# Altium PCB STM32F407Z_20181203.PcbDoc (continued)
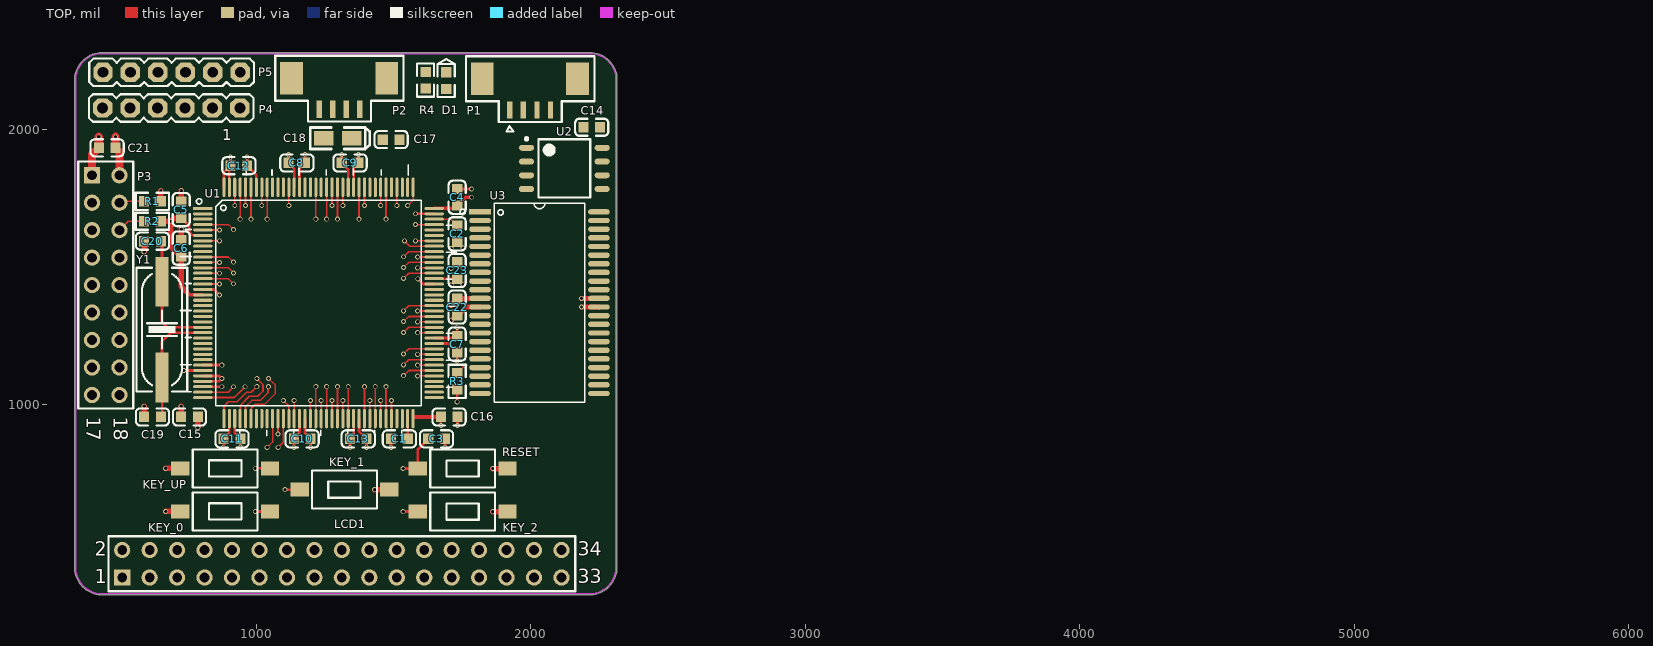
[diagram p0: TOP view]
## Free pads (board coordinates) (continued)
  round 10 on Mech1: 1(3096.07,887.23) 1(3096.07,887.23) 1(3096.07,887.23) 1(3096.07,997.08) 1(3096.07,1106.92) 1(3096.07,1216.76) 1(3096.07,1326.6) 1(3096.07,1436.45) 1(3096.07,1546.29) 1(3096.07,1656.13) 1(3096.07,1656.13) 1(5183.08,887.23) 1(5183.08,887.23) 1(5183.08,887.23) 1(5183.08,997.08) 1(5183.08,1106.92) 1(5183.08,1216.76) 1(5183.08,1326.6) 1(5183.08,1436.45) 1(5183.08,1546.29) 1(5183.08,1656.13) 1(5183.08,1656.13)

## Via types
v1: diameter 18, hole 12, TOP to BOT, tented both sides, 131 vias

## Nets (pads, with @x,y where several pads share a name; then routed paths per layer and width w, separated by ;. In a path a pad name is that pad's centre, name@x,y a point inside that pad or via, vN(x,y) a via of type N, cw(c..) or ccw(c..) an arc to the next point about the centre after c; other vN are vias at no path point)
5V: 
ADC1_CH1: P4.1 U1.35 | length 119.9
  TOP w6: U1.35 897.82,1045.2 v1(917.5,1064.88)
ADC1_CH2: P4.2 U1.36 | length 170.6
  TOP w6: U1.36 920.63,1025.51 v1(960,1064.88)
ADC1_CH3: P4.3 U1.37 | length 194.5
  TOP w6: U1.37 882.51,993.76 898.75,1010 930,1010 965,1045 982.5,1045 v1(1002.5,1065)
DAC2_OUT: P4.4 U1.41 | length 168.8
  TOP w6: U1.41 961.25,991.76 984.49,1015 1015,1015 1043.27,1043.27 1043.27,1063.27 v1(1045,1065)
DCMI_D0: P3.8 U1.96 | length 119.5
  TOP w6: v1(1536.5,1459.59) 1555.17,1478.27 U1.96
DCMI_D1: P3.9 U1.97 | length 60.3
  TOP w6: v1(1588,1497.95) U1.97
DCMI_D2: P3.10 U1.98 | length 119.5
  TOP w6: v1(1536.5,1498.96) 1555.17,1517.64 U1.98
DCMI_D3: P3.11 U1.99 | length 60.3
  TOP w6: v1(1588,1537.32) U1.99
DCMI_D4: P3.12 U1.112 | length 66.3
  TOP w6: v1(1512.43,1725) U1.112
DCMI_D5: P3.13 U1.136 | length 116.3
  TOP w6: v1(1039.99,1675) U1.136
DCMI_D6: P3.14 U1.4 | length 119.5
  TOP w6: U1.4 898.83,1655.43 v1(917.5,1636.76)
DCMI_D7: P3.15 U1.5 | length 60.3
  TOP w6: U1.5 v1(866,1635.75)
DCMI_HREF: P3.5 U1.40 | length 208.1
  TOP w6: U1.40 941.57,996.57 975,1030 1005.63,1030 1025,1049.37 1025,1072.5 v1(1002.5,1095)
DCMI_PCLK: P3.16 U1.42 | length 214
  TOP w6: U1.42 981.56,949.36 981.56,986.56 995,1000 1030,1000 1070,1040 1070,1070 v1(1045,1095)
DCMI_PWDN: P3.18 U1.124 | length 66.3
  TOP w6: v1(1276.21,1725) U1.124
DCMI_RESET: P3.7 U1.132 | length 66.3
  TOP w6: v1(1118.73,1725) U1.132
DCMI_SCL: P3.4 R1.1 U1.122 | length 158
  TOP w6: P3.4 507,1740 R1.1 ; v1(1315.58,1725) U1.122
DCMI_SDA: P3.6 R2.1 U1.123 | length 219.4
  TOP w6: P3.6 534.5,1667.5 R2.1 ; v1(1295.9,1675) U1.123
DCMI_VSYNC: P3.3 U1.137 | length 66.3
  TOP w6: v1(1020.31,1725) U1.137
DCMI_XCLK: P3.17 U1.100 | length 119.5
  TOP w6: v1(1536.5,1538.33) 1555.17,1557.01 U1.100
F_CS: U1.75 U2.1
FSMC_A0: U1.10 U3.5 | length 119.5
  TOP w6: U1.10 898.83,1537.32 v1(917.5,1518.65)
FSMC_A1: U1.11 U3.4 | length 60.3
  TOP w6: U1.11 v1(866,1517.64)
FSMC_A2: U1.12 U3.3 | length 119.5
  TOP w6: U1.12 898.83,1497.95 v1(917.5,1479.28)
FSMC_A3: U1.13 U3.2 | length 60.3
  TOP w6: U1.13 v1(866,1478.27)
FSMC_A4: U1.14 U3.1 | length 119.5
  TOP w6: U1.14 898.83,1458.58 v1(917.5,1439.91)
FSMC_A5: U1.15 U3.23 | length 60.3
  TOP w6: U1.15 v1(866,1438.9)
FSMC_A6: LCD1.2 U1.50 U3.24 | length 66.3
  TOP w6: U1.50 v1(1138.42,1015)
FSMC_A7: U1.53 U3.22 | length 66.3
  TOP w6: U1.53 v1(1197.47,1015)
FSMC_A8: U1.54 U3.21 | length 116.3
  TOP w6: U1.54 v1(1217.16,1065)
FSMC_A9: U1.55 U3.20 | length 66.3
  TOP w6: U1.55 v1(1236.84,1015)
FSMC_A10: U1.56 U3.19 | length 116.3
  TOP w6: U1.56 v1(1256.53,1065)
FSMC_A11: U1.57 U3.18 | length 66.3
  TOP w6: U1.57 v1(1276.21,1015)
FSMC_A12: U1.87 U3.44 | length 60.3
  TOP w6: v1(1588,1301.1) U1.87
FSMC_A13: U1.88 U3.27 | length 119.5
  TOP w6: v1(1536.5,1302.11) 1555.17,1320.79 U1.88
FSMC_A14: U1.89 U3.26 | length 60.3
  TOP w6: v1(1588,1340.47) U1.89
FSMC_A15: U1.90 U3.25 | length 119.5
  TOP w6: v1(1536.5,1341.48) 1555.17,1360.16 U1.90
FSMC_A16: U1.80 U3.42 | length 119.5
  TOP w6: v1(1536.5,1144.63) 1555.17,1163.31 U1.80
FSMC_A17: U1.81 U3.43 | length 60.3
  TOP w6: v1(1588,1182.99) U1.81
FSMC_A18: U1.82 U3.28 | length 119.5
  TOP w6: v1(1536.5,1184) 1555.17,1202.68 U1.82
FSMC_D0: LCD1.6 U1.85 U3.7 | length 60.3
  TOP w6: v1(1588,1261.73) U1.85
FSMC_D1: LCD1.7 U1.86 U3.8 | length 119.5
  TOP w6: v1(1536.5,1262.74) 1555.17,1281.42 U1.86
FSMC_D2: LCD1.8 U1.114 U3.9 | length 116.3
  TOP w6: v1(1473.06,1675) U1.114
FSMC_D3: LCD1.9 U1.115 U3.10 | length 66.3
  TOP w6: v1(1453.38,1725) U1.115
FSMC_D4: LCD1.10 U1.58 U3.13 | length 116.3
  TOP w6: U1.58 v1(1295.9,1065)
FSMC_D5: LCD1.11 U1.59 U3.14 | length 66.3
  TOP w6: U1.59 v1(1315.58,1015)
FSMC_D6: LCD1.12 U1.60 U3.15 | length 116.3
  TOP w6: U1.60 v1(1335.27,1065)
FSMC_D7: LCD1.13 U1.63 U3.16 | length 116.3
  TOP w6: U1.63 v1(1394.32,1065)
FSMC_D8: LCD1.14 U1.64 U3.29 | length 66.3
  TOP w6: U1.64 v1(1414.01,1015)
FSMC_D9: LCD1.15 U1.65 U3.30 | length 116.3
  TOP w6: U1.65 v1(1433.69,1065)
FSMC_D10: LCD1.16 U1.66 U3.31 | length 66.3
  TOP w6: U1.66 v1(1453.38,1015)
FSMC_D11: LCD1.17 U1.67 U3.32 | length 116.3
  TOP w6: U1.67 v1(1473.06,1065)
FSMC_D12: LCD1.18 U1.68 U3.35 | length 66.3
  TOP w6: U1.68 v1(1492.75,1015)
FSMC_D13: LCD1.19 U1.77 U3.36 | length 60.3
  TOP w6: v1(1588,1104.25) U1.77
FSMC_D14: LCD1.20 U1.78 U3.37 | length 119.5
  TOP w6: v1(1536.5,1105.26) 1555.17,1123.94 U1.78
FSMC_D15: LCD1.21 U1.79 U3.38 | length 60.3
  TOP w6: v1(1588,1143.62) U1.79
FSMC_NBL0: U1.141 U3.39 | length 116.3
  TOP w6: v1(941.57,1675) U1.141
FSMC_NBL1: U1.142 U3.40 | length 66.3
  TOP w6: v1(921.88,1725) U1.142
FSMC_NE3: R3.2 U1.125 U3.6 | length 156.4
  TOP w6: v1(1256.53,1675) U1.125 ; R3.2 1732.98,1115 1748.29,1130.31 1748.29,1131.29 v1(1760,1143)
FSMC_NE4: LCD1.1 U1.127 | length 116.3
  TOP w6: v1(1217.16,1675) U1.127
FSMC_NOE: LCD1.4 U1.118 U3.41 | length 66.3
  TOP w6: v1(1394.32,1725) U1.118
FSMC_NWE: LCD1.3 U1.119 U3.17 | length 116.3
  TOP w6: v1(1374.64,1675) U1.119
GND: C1.1 C2.1 C3.1 C4.1 C5.1 C6.1 C7.1 C8.1 C9.1 C10.1 C11.1 C12.1 C13.1 C14.1 C15.1 C16.1 C17.1 C18.2 C19.1 C20.1 C21.1 C22.1 C23.1 KEY_0.1 KEY_1.1 KEY_2.1 KEY_UP.1 LCD1.22 LCD1.26 LCD1.27 P1.1 P2.1 P3.2 P5.4 P5.5 P5.6 R4.1 RESET.1 U1.16 U1.31 U1.38 U1.51 U1.61 U1.83 U1.94 U1.107 U1.120 U1.130 U1.138 U2.4 U3.12 U3.34 | length 2167.3
  TOP w10: v1(736.48,1123.94) U1.31 ; U1.16 846,1419.21 v1(866,1399.21) ; C11.1 v1(881.69,844) v1@881.78,843.9 ; C11.1@881.69,875.98 894.99,889.29 895.98,889.29 902.2,895.51 U1.38 ; v1(967.31,1901) C12.1 967.31,1869.02 980.62,1855.71 981.61,1855.71 1000.62,1836.69 U1.138 ; v1@1137.1,843.9 v1(1137,844) C10.1 1137,875.98 1150.31,889.29 1151.29,889.29 1158.1,896.1 U1.51 ; U1.130 1158.1,1859.69 1164.13,1865.71 1165.11,1865.71 C8.1@1178.42,1879.02 ; C8.1 C8.1@1178.42,1879.02 ; v1(1178.42,1910.02) C8.1@1178.42,1879.02 ; C13.1@1341.37,874.02 v1(1341.37,843.01) v1@1341.47,842.91 ; C13.1 1341.37,875.98 1354.95,889.57 U1.61 ; U1.120 1354.95,1861.65 1372.31,1879.02 C9.1 v1(1372.31,1911) ; v1(1491.37,844) C1.1 ; v1(1580,1695) 1580.2,1694.8 U1.107 ; v1(1588.61,1458.02) 1607.74,1438.9 U1.94 ; U1.83 1699.32,1222.36 1717.71,1203.98 1717.71,1202.99 1731.02,1189.69 C7.1 v1(1732,1158.68) ; v1(1687.31,844) C3.1 ; v1(1710.08,1495.63) 1710.08,1495.71 C23.1@1725,1510.63 ; v1(1710.08,1568.33) 1710.08,1568.41 C2.1@1725,1583.33 ; C23.1 v1(1753.92,1496.73) ; C2.1 v1(1753.92,1569.43) ; C4.1 1784.69,1785.31 v1(1785,1785) ; v1(1732.99,924) C16.1
  TOP w18: v1(1708.86,1305) 1719.24,1315.38 1722.69,1315.38 C22.1 1732.98,1324.69 1742.29,1333.99 1743.99,1333.99 1765.2,1355.2 U3.12 ; v1(2185,1386.69) U3.34
  TOP w20: C19.1 v1(592,993.69) ; v1(592,1556.31) C20.1 ; v1(670.28,610.79) KEY_0.1 ; v1(670.28,767.72) KEY_UP.1 ; C15.1 v1(726.69,993.69) ; C6.1 v1(727,1638.69) ; C5.1 v1(727,1779) ; v1(1431.58,690) KEY_1.1 ; v1(1862.06,610) KEY_2.1 ; v1(1862.06,766.93) RESET.1
  TOP w30: v1(487.31,1975) C21.1 487.31,1934.02 502,1919.33 P3.2
I2C1_SCL: P4.5 U1.139 | length 116.3
  TOP w6: v1(980.94,1675) U1.139
I2C1_SDA: P4.6 U1.140 | length 66.3
  TOP w6: v1(961.25,1725) U1.140
JTMS_SWCLK: P2.2 U1.109 | length 74.4
  TOP w6: v1(1551.8,1725) 1571.49,1744.68 U1.109
JTMS_SWDIO: P2.3 U1.105 | length 68.3
  TOP w6: v1(1580,1655.43) U1.105
KEY0: KEY_0.2 U1.3 | length 53.3
  TOP w10: v1(997.06,610.79) KEY_0.2
KEY1: KEY_1.2 U1.2 | length 53.3
  TOP w10: v1(1104.81,690) KEY_1.2
KEY2: KEY_2.2 U1.1 | length 53.3
  TOP w10: v1(1535.28,610) KEY_2.2
LCD_BL: LCD1.23 U1.76
NetC1_2: C1.2 U1.71 | length 73.8
  TOP w10: U1.71 1551.8,875.2 C1.2
NetC2_2: C2.2 U1.106 | length 93.9
  TOP w6: U1.106 1708.86,1675.12 1715.71,1668.27 1715.71,1667.29 1731.02,1651.98 C2.2
NetC19_2: C19.2 U1.24 Y1.2 | length 438.9
  TOP w10: C19.2 658,960.37 658,1028 657,1029 Y1.2 657,1229 689.73,1261.73 U1.24
NetC20_2: C20.2 U1.23 Y1.1 | length 453.2
  TOP w10: C20.2 657,1590.63 Y1.1 657,1300 675.58,1281.42 U1.23
NetD1_2: D1.K R4.2
RESET: C3.2 LCD1.5 RESET.2 U1.25 | length 177.7
  TOP w10: v1(1535.28,766.93) RESET.2 1588.61,836.93 1612.39,860.71 1613.38,860.71 1626.68,874.02 C3.2
SPI1_MISO: U1.134 U2.2
SPI1_MOSI: U1.135 U2.5
SPI1_SCK: U1.133 U2.6
T_CS: LCD1.33 U1.7 | length 60.3
  TOP w6: U1.7 v1(866,1596.38)
T_MISO: LCD1.29 U1.48 | length 112.6
  TOP w6: v1(1080,844) 1099.05,863.04 U1.48
T_MOSI: LCD1.30 U1.49 | length 74.4
  TOP w6: v1(1099.05,1015) 1118.73,995.31 U1.49
T_PEN: LCD1.31 U1.47 | length 55.8
  TOP w6: v1(1079.36,892.91) U1.47
T_SCK: LCD1.34 U1.46 | length 112.9
  TOP w6: v1(1040,844) 1059.68,863.67 U1.46
USART1_RX: P1.3 U1.102 | length 68.3
  TOP w6: v1(1580,1596.38) U1.102
USART1_TX: P1.2 U1.101 | length 116.4
  TOP w6: v1(1540,1596.38) 1559.69,1576.69 U1.101
VCC: C4.2 C5.2 C6.2 C7.2 C8.2 C9.2 C10.2 C11.2 C12.2 C13.2 C14.2 C15.2 C16.2 C17.2 C18.1 C21.2 C22.2 C23.2 D1.A LCD1.24 LCD1.25 P1.4 P2.4 P3.1 P5.1 P5.2 P5.3 R1.2 R2.2 R3.1 U1.6 U1.17 U1.30 U1.32 U1.33 U1.39 U1.52 U1.62 U1.72 U1.84 U1.95 U1.108 U1.121 U1.131 U1.143 U1.144 U2.3 U2.7 U2.8 U3.11 U3.33 | length 2542.2
  TOP w10: C5.2 727.98,1679.68 741.29,1666.38 741.29,1665.69 755,1651.98 755,1630 768.74,1616.26 805.54,1616.26 U1.6 ; U1.33 863.96,1084.57 874.39,1095 865.14,1104.25 U1.32 ; U1.30 v1(875,1143.62) ; U1.144 882.51,1845.83 892.39,1855.71 893.38,1855.71 C12.2@902.2,1864.53 ; U1.143 C12.2@902.2,1864.53 ; v1@906.78,1901.1 v1(906.68,1901) C12.2 902.2,1865.51 C12.2@902.2,1864.53 ; U1.39 921.88,895.43 928.02,889.29 929.01,889.29 942.32,875.98 v1(942.32,844.98) ; C8.2 C8.2@1117.79,1879.02 ; v1@1117.89,1910.12 v1(1117.79,1910.02) C8.2@1117.79,1879.02 ; U1.131 1138.42,1859.37 1132.08,1865.71 1131.09,1865.71 C8.2@1117.79,1879.02 ; U1.52 1177.79,895.83 C10.2@1197.53,876.08 ; C10.2@1197.53,876.97 C10.2@1197.53,876.08 ; v1@1197.63,844.88 1197.53,844.98 C10.2@1197.53,874.9 ; C10.2 C10.2@1197.53,874.9 ; C10.2@1197.63,875.98 C10.2@1197.53,876.08 ; v1@1311.78,1911.1 v1(1311.68,1911) C9.2 1311.68,1879.02 1324.99,1865.71 1325.98,1865.71 1335.27,1856.42 U1.121 ; U1.62 1374.64,902.36 1387.71,889.29 1388.69,889.29 C13.2@1402,875.98 ; v1(1402,844) C13.2 ; U1.84 1723.73,1242.05 C7.2 v1(1732,1281.32) ; U1.95 1731.44,1458.58 C23.2 v1(1753.92,1436.1) ; v1(1672.36,924) C16.2 ; v1(1710.08,1435) 1710.08,1435.08 C23.2@1725,1450 ; v1(1732,1010) R3.1 ; C10.2@1197.53,874.9 C10.2@1197.53,876.08
  TOP w12: 745,1412.53 758,1399.53 U1.17 ; U1.108 1721.8,1714.49 C4.2 1732.98,1724.68 1745.29,1736.99 1745.29,1737.98 1762.32,1755 v1(1785,1755)
  TOP w15: U1.72@1575,955 C16.2
  TOP w18: C22.2@1733.38,1386.69 U3.11 ; v1(2185,1355.2) U3.33
  TOP w20: R2.2 v1(689.71,1667.5) ; R1.2 v1(652.32,1778.68) ; C5.2 726.53,1679.22 701.42,1679.22 v1(689.71,1667.5) ; 745,1412.53 727,1430.53 C6.2 724.58,1539.37 689.71,1574.24 v1(689.71,1667.5) ; v1(787.32,916.31) C15.2 ; v1(1710.08,1362.3) 1722.71,1374.93 1722.71,1377.01 1731.02,1385.32 C22.2 C22.2@1733.38,1386.69
  TOP w30: P3.1 402,1910.32 422.39,1930.71 423.38,1930.71 426.68,1934.02 C21.2 v1(426.68,1975)
  other v1: 1197.53,844 875,1095
WK_UP: KEY_UP.2 U1.34 | length 122.6
  TOP w8: U1.34 v1(875,1064.88)
  TOP w10: v1(997.06,767.72) KEY_UP.2
pads on no net: LCD1.28 LCD1.32 P1.0 P2.0 U1.8 U1.9 U1.18 U1.19 U1.20 U1.21 U1.22 U1.26 U1.27 U1.28 U1.29 U1.43 U1.44 U1.45 U1.69 U1.70 U1.73 U1.74 U1.91 U1.92 U1.93 U1.103 U1.104 U1.110 U1.111 U1.113 U1.116 U1.117 U1.126 U1.128 U1.129

## Polygon pours and split planes (outlines as drawn)
no net on TOP "NONET_L-01_P-001" (solid, remove dead copper, pour order 4): 792.16,1022
GND on GND02 (split plane): 2221.99,2261.38 2229.9,2260.2 2237.65,2258.26 2245.18,2255.57 2252.4,2252.15 2259.26,2248.04 2265.68,2243.28 2271.6,2237.91 2276.97,2231.99 2281.73,2225.57 2285.83,2218.72 2289.25,2211.49 2291.94,2203.97 2292.94,2199.99 2292.01,2199.99 2293.42,2196.58 2293.42,415.11 2293.56,413.7 2293.49,413.7 2293.74,408.63 2293.67,407.99 2293.74,407.34 2293.38,400.01 2292.2,392.1 2290.26,384.35 2287.57,376.82 2284.15,369.6 2280.04,362.74 2275.28,356.32 2269.91,350.4 2263.99,345.03 2257.57,340.27 2250.72,336.17 2243.49,332.75 2235.97,330.06 2228.22,328.11 2222.02,327.19 2219.34,328.31 2218.06,327.77 2218.1,327.22 2217.95,327.23 2217,327.14 2217,328.49 2213.59,327.08 447.11,327.08 445.7,326.94 445.7,327.02 439.99,326.74 435.18,326.97 435.17,326.89 434.39,326.97 434.45,327.77 433.16,328.31 430.48,327.19 424.29,328.11 416.53,330.06 409.01,332.75 401.79,336.17 394.93,340.27 388.51,345.03 383,350.03 382.56,350.56 382.03,351 377.03,356.51 372.27,362.93 368.17,369.79 364.75,377.01 362.06,384.53 360.11,392.29 359.2,398.48 360.31,401.16 359.77,402.45 358.97,402.39 358.89,403.17 358.97,403.18 358.74,407.99 359.02,413.7 358.94,413.7 359.08,415.11 359.08,2186.11 359.77,2186.06 360.31,2187.34 359.2,2190.02 360.11,2196.22 362.06,2203.97 364.75,2211.49 368.17,2218.72 372.27,2225.57 377.03,2231.99 382.4,2237.91 388.32,2243.28 394.74,2248.04 401.6,2252.15 408.82,2255.57 416.35,2258.26 424.1,2260.2 432.01,2261.38 439.99,2261.77 445.7,2261.49 445.7,2261.56 447.11,2261.42 2206.89,2261.42 2208.3,2261.56 2208.3,2261.49 2214.01,2261.77

## Keep-outs
Keep-Out Layer:
  lines w6: 341.81,401.16 ccw(c439.99,408.18) 447,310 ; 341.81,2187.34 cw(c439.99,2180.33) 447,2278.5 ; 342,400 342,2187.34 ; 342,415 ccw(c440.18,407.99) 433.16,309.81 ; 432,310 2217,310 ; 440.5,2278.5 2218.5,2278.5 ; 2207,2278.5 cw(c2214.01,2180.33) 2310.45,2199.99 ; 2219.34,309.81 ccw(c2212.33,407.99) 2310.5,415 ; 2310.5,403.5 2310.5,2199.99

## Silkscreen, mask and mechanical layers (free items; w line width, h text height)
SILK-TOP:
  text "1" at 877.01,1961.82 h40
SILK-BOT:
  lines w15: 424,2266 407,2266 ; 646,1857 578,1857 578,1901 382,1901 382,2152 ; 688,2149 688,2031 863,2031 1365,2031 1365,2152 1065,2152 ; 998,2153 998,2252 ; 1844,2263 1844,2152 382,2152 ; 1844,2266 407,2266 ; 382,2152 382,2241 407,2266
  text "VCC VCC VCC GND GND GND" at 1815,2194 h35
  text "ADC1_CH1~3" at 1330,2061 h35
  text "DAC2" at 645,2014.82 h35 r90
  text "SDA" at 460,2013 h35 r90
  text "SCL" at 556,2011 h35 r90
Mechanical 1:
  drawing of 465 lines, arcs and shapes, not listed
  text "TOP" at 5976.78,1583.51 h39.27
  text "1oz+Plating" at 5442.83,1581.72 h38.75
  text "mm" at 2770.88,1472.67 h38.75
  text "pp(7628)" at 3495.28,1472.67 h39.27
  text "0.195" at 2583,1472 h39.27
  text "0.5oz" at 5475.98,1365.36 h39.27
  text "ART02" at 5976.78,1363.82 h39.27
  text "mm" at 2770.88,1252.98 h38.75
  text "Core" at 3495.28,1252.98 h39.27
  text "1.1" at 2665.95,1250.05 h39.27
  text "0.5oz" at 5475.98,1145.67 h39.27
  text "ART03" at 5976.78,1144.14 h39.27
  text "0.195" at 2583,1035 h39.27
  text "pp(7628)" at 3469.28,1034.67 h39.27
  text "mm" at 2770.88,1033.3 h38.75
  text "BOTTOM" at 5976.78,924.45 h39.27
  text "1oz+Plating" at 5441.83,918.49 h38.75
  text "板厚：1.6 +/- 0.16mm" at 4678.68,669.59 h80
Mechanical 25:
  lines w7.87: 352,983 352,1885.35 548,1885.35 548,983 352,983 ; 391,2030 391,2130 992,2130 992,2030 391,2030 ; 392.26,2160 993.26,2160 993.26,2260 392.26,2260 392.26,2160 ; 455,321 455,533 2164,533 2164,321 455,321 ; 768.89,541.5 1005.11,541.5 1005.11,679.29 768.89,679.29 768.89,541.5 ; 768.89,698.43 768.89,836.22 1005.11,836.22 1005.11,698.43 768.89,698.43 ; 1071,2105.08 1071,2269 1537.43,2269 1537.43,2106.5 1418,2106.5 1418,2031 1188,2031 1188,2105.08 1071,2105.08 ; 1203.42,621.5 1439.64,621.5 1439.64,759.29 1203.42,759.29 1203.42,621.5 ; 1633.89,541.5 1870.11,541.5 1870.11,679.29 1633.89,679.29 1633.89,541.5 ; 1633.89,698.43 1870.11,698.43 1870.11,836.22 1633.89,836.22 1633.89,698.43 ; 1765.92,2102.91 1882.92,2102.91 1882.92,2028.83 2112.92,2028.83 2112.92,2104.33 2232.35,2104.33 2232.35,2266.83 1765.92,2266.83 1765.92,2102.91
  text "P5" at 642,2201 h30
  text "P2" at 1270,2157 h30
  text "P1" at 1980,2157 h30
  text "P4" at 642,2066 h30
  text "P3" at 464,1413 h30 r90
  text "KEY_UP" at 801.69,754.46 h30
  text "RESET" at 1683,744 h30
  text "KRY_1" at 1251,673 h30
  text "KEY_2" at 1680,599 h30
  text "KEY_0" at 815,593 h30
  text "LCD1" at 1283.11,411 h30

## Dimensions
341.81,401.16 to 2310.75,407.99 on Mechanical 1
432,310 to 440.5,2278.5 on Mechanical 1

## Text inside footprints (layer, text, board x,y; h text height)
LCD1: SILK-TOP "34" at 2172,450 h50; SILK-TOP "33" at 2172,350 h50; SILK-TOP "2" at 412,450 h50; SILK-TOP "1" at 412,350 h50
P3: SILK-TOP "17" at 382,955 h50 r270; SILK-TOP "18" at 482,955 h50 r270